# Altium PCB RpiBaseBoard.PcbDoc
Units mil, origin at the board's own origin, x right, y up, seen from the top; angles counter-clockwise.
Board outline 2165.35 x 2519.68 mil, 2 copper layers (Component Side, Bottom Layer), stack 63.824 mil thick; 134 components, 78 nets, 448 pads, 132 vias.
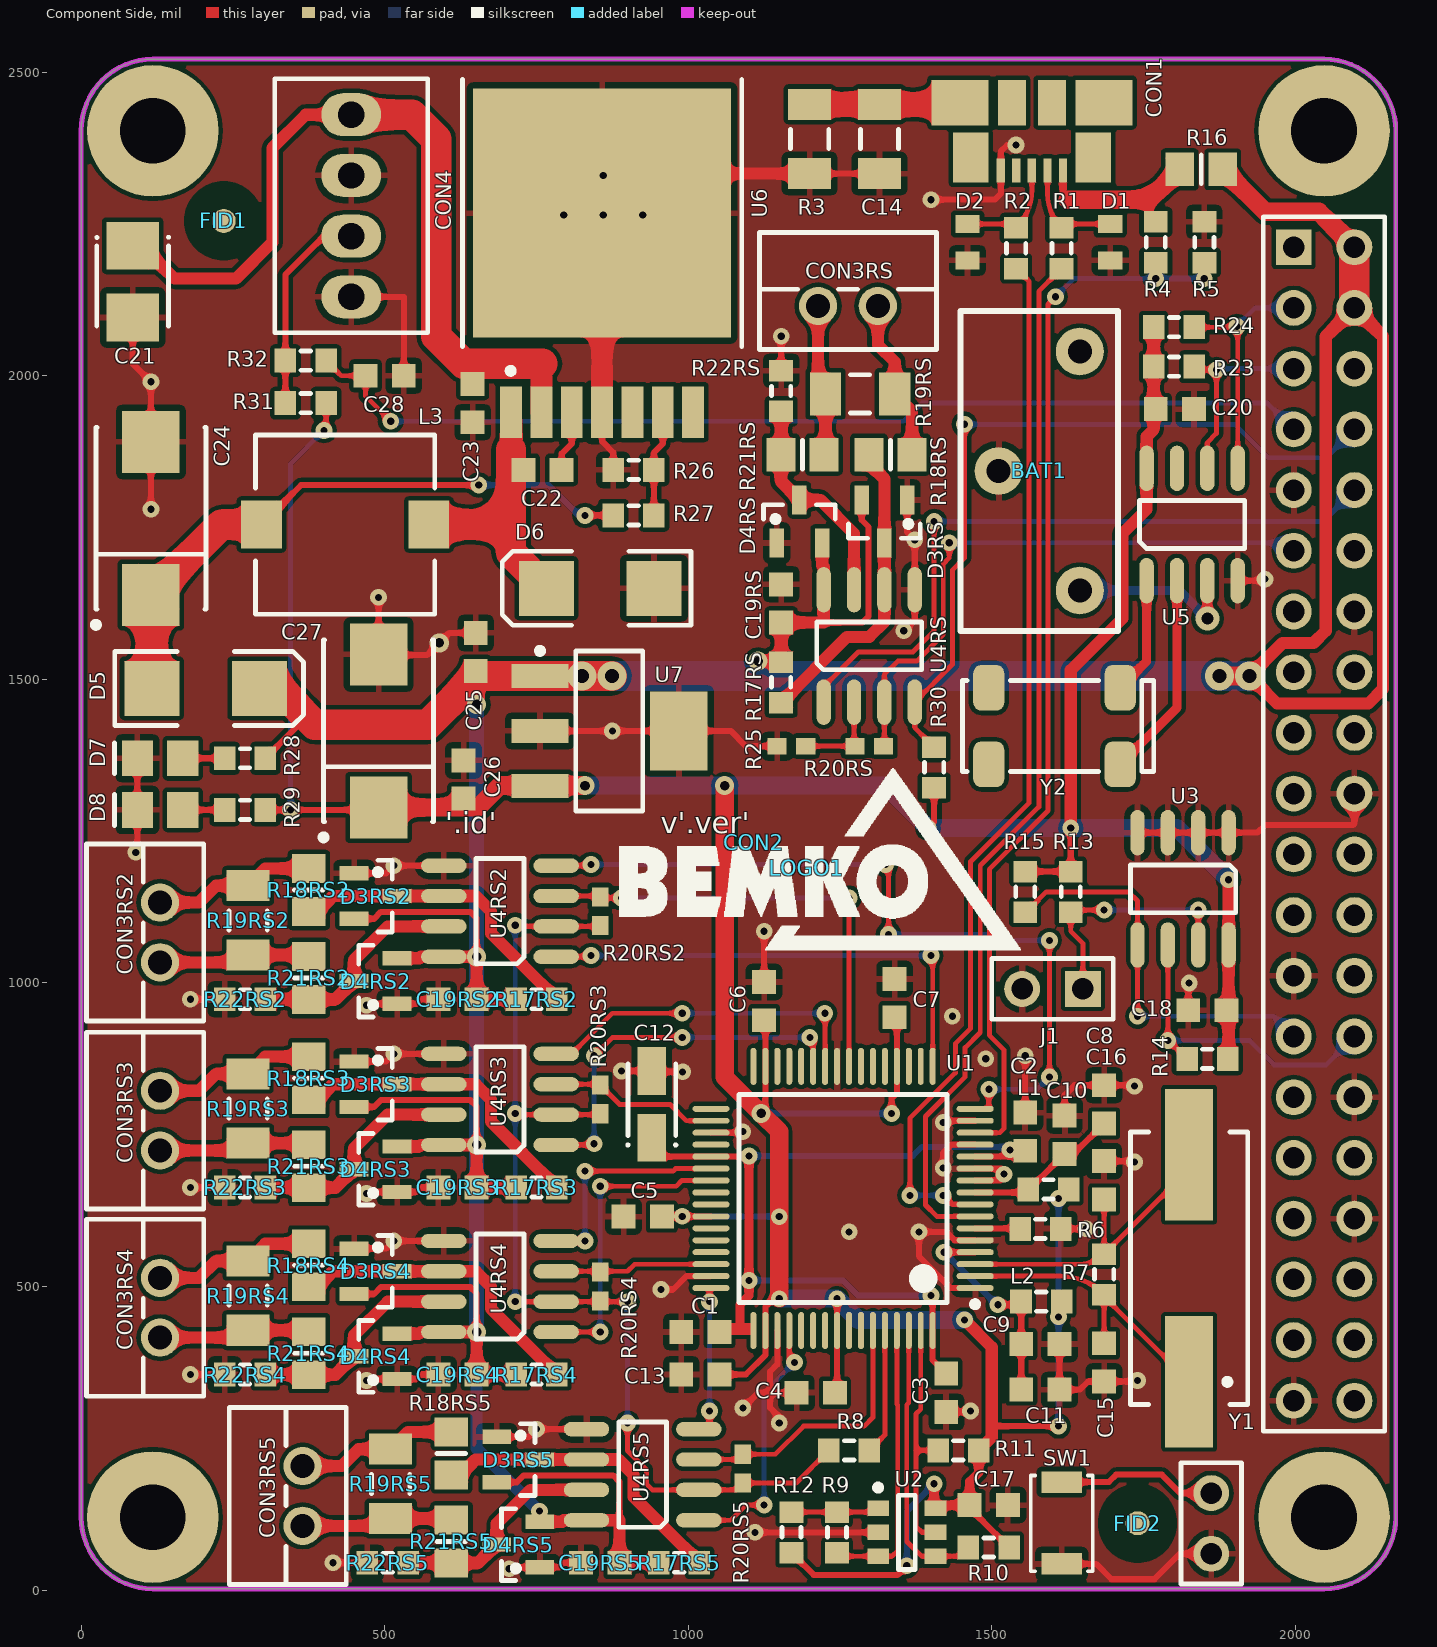
[diagram p0: Component Side view]
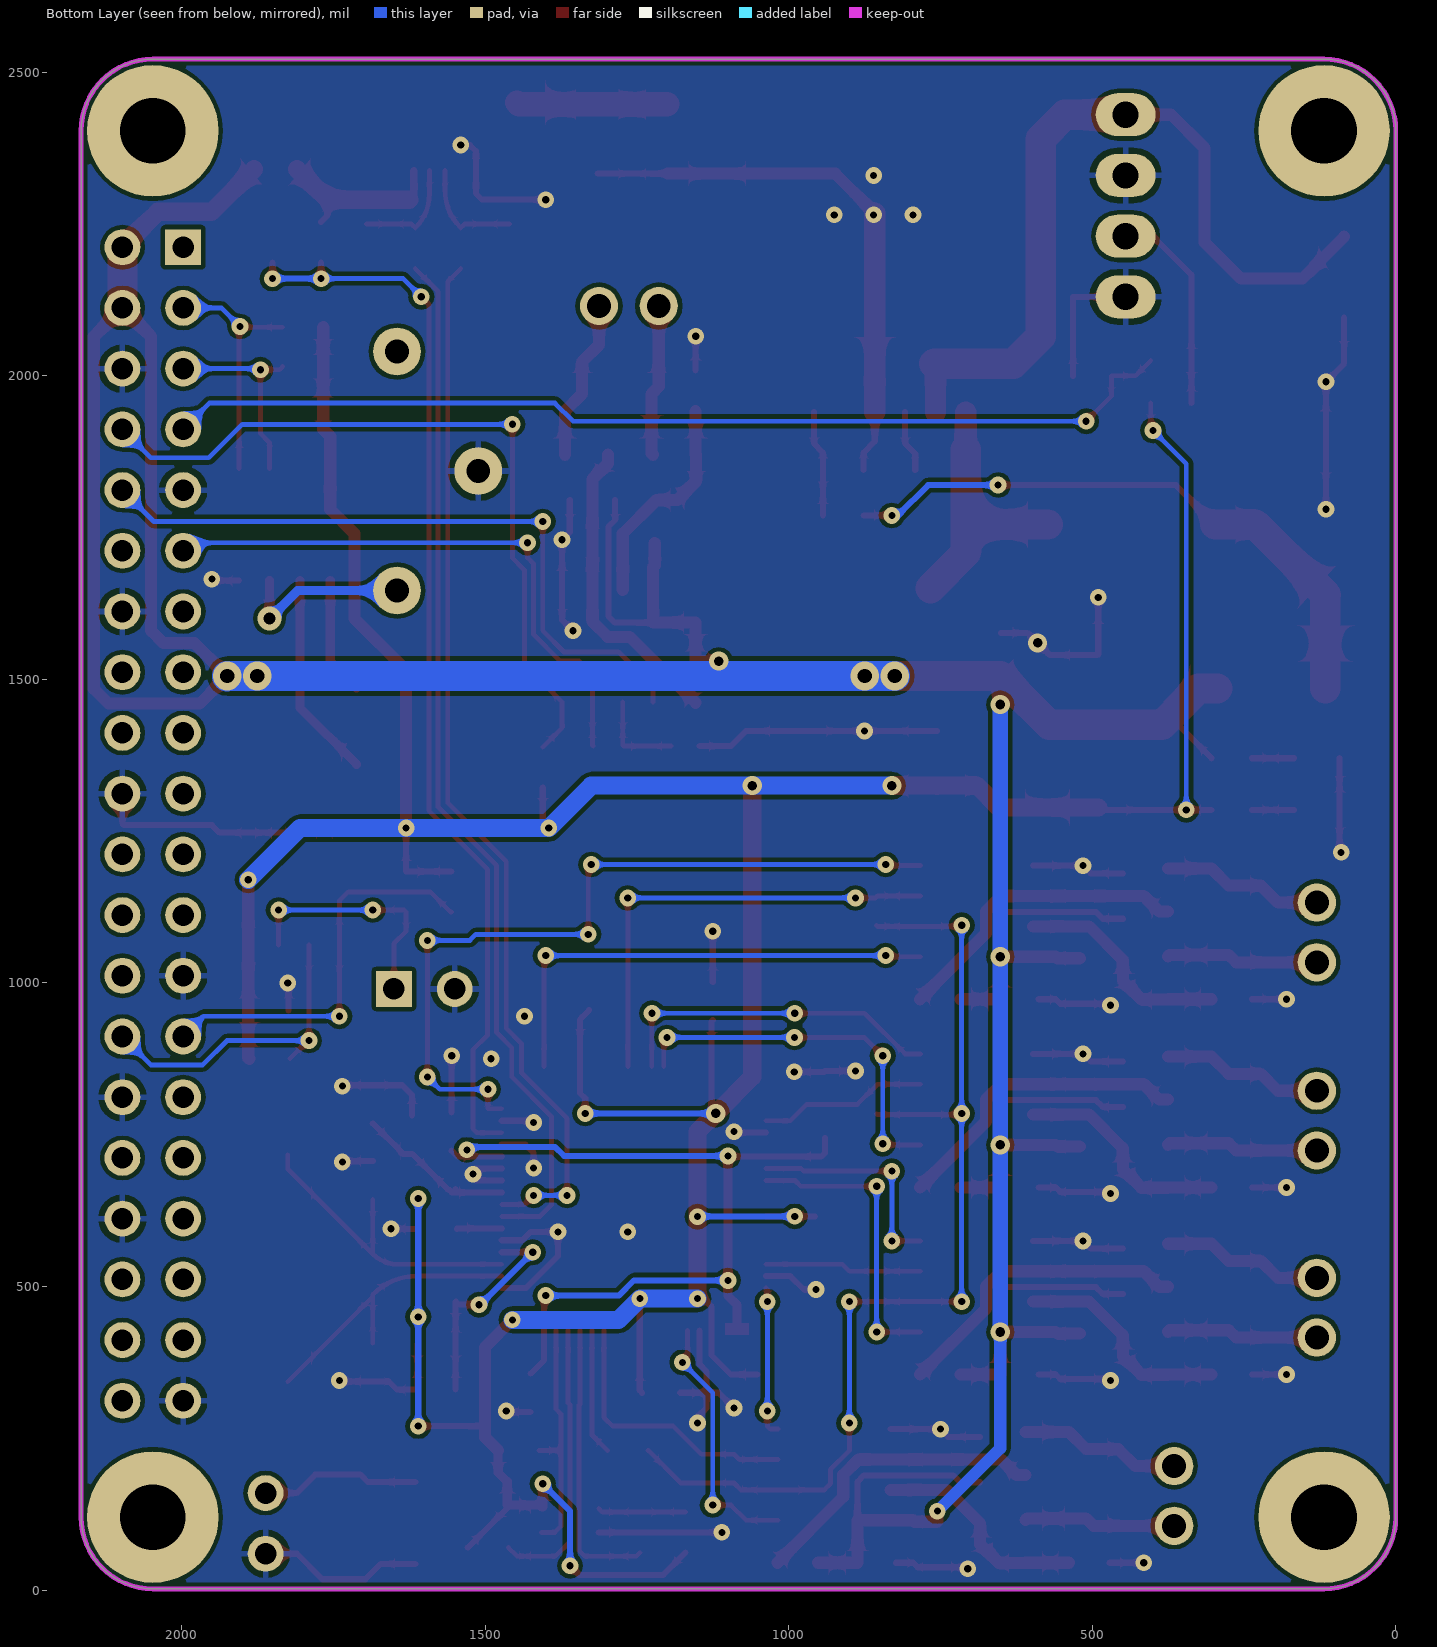
[diagram p1: Bottom Layer view, seen from below]

## Layer stack, top to bottom
Top Solder: solder mask 0.4, Solder Resist, Dk 3.5
Component Side: signal copper 1.4
Dielectric 1: core 61.0236, FR-4, Dk 4.2
Bottom Layer: signal copper 1.4
Solder Side: solder mask 0.4, Solder Resist, Dk 3.5

## Board outline
0,120 ccw(c118.11,120) 118.11,1.89 2047.24,1.89 ccw(c2047.24,120) 2165.35,120 2165.35,2403.46 ccw(c2047.24,2403.46) 2047.24,2521.57 118.11,2521.57 ccw(c118.11,2403.46) 0,2403.46

## Design rules (kind name [scope] priority, off if disabled: settings)
Clearance "Stitching GNDA" [IsStitchingVia and InNet('GNDA') vs (IsVia and (Not IsStitchingVia)) Or IsPad] p1: gap=5 ignorepadtopadclearanceinfootprint=FALSE except(0: Arc-Hole Track-Hole SMDPad-Hole THPad-Hole Via-Hole Fill-Hole Poly-Hole Region-Hole Text-Hole)
Clearance ShieldClearance_BOT [InNamedPolygon('GND_L02_P002') vs InNet('SHIELD')] p2: gap=30 ignorepadtopadclearanceinfootprint=FALSE except(0: Arc-Hole Track-Hole SMDPad-Hole THPad-Hole Via-Hole Fill-Hole Poly-Hole Region-Hole Text-Hole)
Clearance ShieldClearance_TOP [InNamedPolygon('GND_L02_P002') vs InNet('SHIELD')] p3: gap=30 ignorepadtopadclearanceinfootprint=FALSE except(0: Arc-Hole Track-Hole SMDPad-Hole THPad-Hole Via-Hole Fill-Hole Poly-Hole Region-Hole Text-Hole)
Clearance [All] p4: gap=7 ignorepadtopadclearanceinfootprint=FALSE except(0: Arc-Hole Track-Hole SMDPad-Hole THPad-Hole Via-Hole Fill-Hole Poly-Hole Region-Hole Text-Hole)
DiffPairsRouting DiffPair_100_2DiffPairsRouting [InDifferentialPairClass('DIFF100_2')] p1: maxlimit=10 minlimit=10 mostfreqgap=10 toplayer_minwidth=8 toplayer_maxwidth=15 toplayer_prefwidth=15 bottomlayer_minwidth=8 bottomlayer_maxwidth=15 bottomlayer_prefwidth=15 maxuncoupledlength=500
DiffPairsRouting DiffPair_100DiffPairsRouting [InDifferentialPairClass('DIFF100')] p2: maxlimit=10 minlimit=10 mostfreqgap=10 toplayer_minwidth=8 toplayer_maxwidth=15 toplayer_prefwidth=15 bottomlayer_minwidth=8 bottomlayer_maxwidth=15 bottomlayer_prefwidth=15 maxuncoupledlength=500
DiffPairsRouting [All] p3: maxlimit=10 minlimit=8 mostfreqgap=8 toplayer_minwidth=8 toplayer_maxwidth=30 toplayer_prefwidth=8 bottomlayer_minwidth=8 bottomlayer_maxwidth=30 bottomlayer_prefwidth=8 maxuncoupledlength=500
Height [All] p1: minheight=0 maxheight=2000 prefheight=500
HoleSize [All] p1: absolutevalues=TRUE maxlimit=200 minlimit=1 maxpercent=80.000 minpercent=20.000
MatchedLengths DiffPair_100_2MatchedLengths [InNetClass('DIFF100_A')] p1: tolerance=1000 checknetsindiffpair=TRUE checkdiffpairvsdiffpair=FALSE checkxsignals=FALSE checkothers=FALSE
MatchedLengths DiffPair_100MatchedLengths [InNetClass('DIFF100_B')] p2: tolerance=5 checknetsindiffpair=TRUE checkdiffpairvsdiffpair=FALSE checkxsignals=FALSE checkothers=FALSE
MinimumSolderMaskSliver [All] p1: minsoldermaskwidth=1
PasteMaskExpansion [InNet('230V_N')] p1: expansion=20
PlaneClearance [All] p1: clearance=10
PlaneConnect MotConnect [InNetClass('MOT[8..1]')] p1: planeconnectstyle=Direct reliefexpansion=20 reliefentries=4 reliefconductorwidth=10 reliefairgap=10
PlaneConnect Via_Thermal_Relief [IsStitchingVia Or IsVia] p2: planeconnectstyle=Direct reliefexpansion=20 reliefentries=4 reliefconductorwidth=10 reliefairgap=40
PlaneConnect ShieldConnect [InNet('SHIELD')] p3: planeconnectstyle=Relief reliefexpansion=20 reliefentries=4 reliefconductorwidth=10 reliefairgap=40
PlaneConnect [All] p4: planeconnectstyle=Relief reliefexpansion=8 reliefentries=4 reliefconductorwidth=8 reliefairgap=5
PolygonConnect GNDA_VIA_CONN [InNet('GND') And (IsStitchingVia Or IsVia)] p1: connectstyle=Direct reliefconductorwidth=10 reliefentries=4 polygonreliefangle="90 Angle" airgapwidth=10
PolygonConnect [All] p2: connectstyle=Relief reliefconductorwidth=10 reliefentries=4 polygonreliefangle="90 Angle" airgapwidth=10
RoomDefinition RS3 [InComponentClass('RS3')] p1: confinementstyle=ConfineIn formatcopy=TRUE lockcomponents=FALSE outline 0,620 885,620 885,928.11 0,928.11
RoomDefinition RS [InComponentClass('RS')] p2: confinementstyle=ConfineIn formatcopy=TRUE lockcomponents=FALSE outline 1110,2245 1110,1360 1418.11,1360 1418.11,2245
RoomDefinition RS5 [InComponentClass('RS5')] p3: confinementstyle=ConfineIn formatcopy=TRUE lockcomponents=FALSE outline 235,1.89 1120,1.89 1120,310 235,310
RoomDefinition RS4 [InComponentClass('RS4')] p4: confinementstyle=ConfineIn formatcopy=TRUE lockcomponents=FALSE outline 0,311.89 885,311.89 885,620 0,620
RoomDefinition RS2 [InComponentClass('RS2')] p5: confinementstyle=ConfineIn formatcopy=TRUE lockcomponents=FALSE outline 0,930 885,930 885,1238.11 0,1238.11
RoutingVias [All] p1: holewidth=5.91 width=11.81 viastyle="Through Hole" minholewidth=5.91 minwidth=11.81 maxholewidth=500 maxwidth=1000
SilkToSilkClearance [All] p1: silktosilkclearance=5
SilkToSolderMaskClearance SilkscreenOverComponentPads [IsPad] p1: minsilkscreentomaskgap=1 clearancetoexposedcopper=TRUE
SolderMaskExpansion [InNet('230V_N')] p1: expansion=5
Width GND [InNet('GND')] p1: maxlimit=100 minlimit=8 preferedwidth=50
Width 3V3 [InNet('3V3')] p2: maxlimit=40 minlimit=8 preferedwidth=30
Width 5V [InNet('5V')] p3: maxlimit=90 minlimit=10 preferedwidth=60
Width 24V [InNet('24V')] p4: maxlimit=80 minlimit=10 preferedwidth=60
Width [All] p5: maxlimit=100 minlimit=6 preferedwidth=8
21 further rules are at their usual default settings.

## Classes and differential pairs
component class FTE: C17 R9 R10 R11 R12 U2
component class FT: C1 C2 C3 C4 C5 C6 C7 C8 C9 C10 C11 C12 C13 C14 C15 C16 CON1 D1 D2 L1 L2 R1 R2 R3 R4 R5 R6 R7 R8 R16 U1 Y1
component class IDE: C18 J1 R13 R14 R15 U3
component class RPI: CON2 R30 SW1
component class RS2: C19RS2 CON3RS2 D3RS2 D4RS2 R17RS2 R18RS2 R19RS2 R20RS2 R21RS2 R22RS2 U4RS2
component class RS3: C19RS3 CON3RS3 D3RS3 D4RS3 R17RS3 R18RS3 R19RS3 R20RS3 R21RS3 R22RS3 U4RS3
component class RS4: C19RS4 CON3RS4 D3RS4 D4RS4 R17RS4 R18RS4 R19RS4 R20RS4 R21RS4 R22RS4 U4RS4
component class RS5: C19RS5 CON3RS5 D3RS5 D4RS5 R17RS5 R18RS5 R19RS5 R20RS5 R21RS5 R22RS5 U4RS5
component class RS: C19RS CON3RS D3RS D4RS R17RS R18RS R19RS R20RS R21RS R22RS U4RS
component class RTC: BAT1 C20 R23 R24 U5 Y2
component class top_level: FID1 FID2 LOGO1 R25
net class DIFF_RS485: RS485RS2_N RS485RS2_P RS485RS3_N RS485RS3_P RS485RS4_N RS485RS4_P RS485RS5_N RS485RS5_P RS485RS_N RS485RS_P
net class DIFF_USB: USBD_N USBD_P
net class RS485DE[4..1]: RS485DE1 RS485DE2 RS485DE3 RS485DE4
net class RS485RX[4..1]: RS485RX1 RS485RX2 RS485RX3 RS485RX4
net class RS485TX[4..1]: RS485TX1 RS485TX2 RS485TX3 RS485TX4
channel class rs485: RS RS2 RS3 RS4 RS5
component class POWER: C21 C22 C23 C24 C25 C26 C27 C28 CON4 D5 D6 D7 D8 L3 R26 R27 R28 R29 R31 R32 U6 U7
differential pair RS485RS: +RS485RS_P -RS485RS_N
differential pair RS485RS5: +RS485RS5_P -RS485RS5_N
differential pair RS485RS4: +RS485RS4_P -RS485RS4_N
differential pair RS485RS3: +RS485RS3_P -RS485RS3_N
differential pair RS485RS2: +RS485RS2_P -RS485RS2_N
differential pair USBD: +USBD_P -USBD_N

## Components (designator, comment, footprint, x,y, rotation, side; value= is the part's Value field where it differs from the comment)
BAT1 "CH74-2032" BAT_2032_HOLDER 1645,1646.3 r90 top
C1 "100nF" CAPC1608N 1020,425 r180 top
C2 "100nF" CAPC1608N 1555,755 r90 top
C3 "100nF" CAPC1608N 1425,325 r270 top
C4 "100nF" CAPC1608N 1210,325 r180 top
C5 "100nF" CAPC1608N 925,615 r180 top
C6 "100nF" CAPC1608N 1125,970 r90 top
C7 "100nF" CAPC1608N 1340,975 r90 top
C8 "4.7uF" CAPC1608N 1685,800 r90 top
C9 "4.7uF" CAPC1608N 1580,405 r0 top
C10 "100nF" CAPC1608N 1620,750 r90 top
C11 "100nF" CAPC1608N 1580,330 r0 top
C12 "10uF/6V" SMDA 940,800 r90 top value=10uF
C13 "100nF" CAPC1608N 1020,355 r180 top
C14 "2n2/500V" CAPC3216N 1315,2390 r90 top
C15 "27pF" CAPC1608N 1685,375 r90 top
C16 "27pF" CAPC1608N 1685,675 r270 top
C17 "100nF" CAPC1608N 1495,140 r180 top
C18 "100nF" CAPC1608N 1855,955 r0 top
C19RS "100nF" CAPC1608N 1153.11,1625 r90 top (schematic designator C19)
C19RS2 "100nF" CAPC1608N 620,973.11 r180 top (schematic designator C19)
C19RS3 "100nF" CAPC1608N 620,663.11 r180 top (schematic designator C19)
C19RS4 "100nF" CAPC1608N 620,355 r180 top (schematic designator C19)
C19RS5 "100nF" CAPC1608N 855,45 r180 top (schematic designator C19)
C20 "100nF" CAPC1608N 1801.5,1945 r180 top
C21 "10uF 25V" SMDB 85,2155 r270 top
C22 "10nF" CAPC1608N 760,1845 r0 top
C23 "100nF" CAPC1608N 645,1955 r90 top
C24 "470uF 6V3" SMDD 115,1765 r90 top value=10uF
C25 "100nF" CAPC1608N 650,1545 r270 top
C26 "100nF" CAPC1608N 630,1335 r270 top
C27 "470uF 6V3" SMDD 490,1415 r90 top value=10uF
C28 "100nF" CAPC1608N 500,2000 r180 top
CON1 "USB-B-MICRO" MICRO-USB-CONNECTOR 1566.08,2337.8 r270 top
CON2 "RPI3" RASPBERRYPI3 0,2521.57 r0 top locked
CON3RS "MX-5267-02A" MX-5267-02A 1263.11,2115 r0 top (schematic designator CON3)
CON3RS2 "MX-5267-02A" MX-5267-02A 130,1083.11 r90 top (schematic designator CON3)
CON3RS3 "MX-5267-02A" MX-5267-02A 130,773.11 r90 top (schematic designator CON3)
CON3RS4 "MX-5267-02A" MX-5267-02A 130,465 r90 top (schematic designator CON3)
CON3RS5 "MX-5267-02A" MX-5267-02A 365,155 r90 top (schematic designator CON3)
CON4 "TB-4" Terminal-block-4way-2.54 445,2280 r270 top
D1 "SURGX" SURGX-0603 1695,2220 r90 top
D2 "SURGX" SURGX-0603 1460,2220 r90 top
D3RS "BAT54S" SOT23-3L 1323.11,1760 r270 top (schematic designator D3)
D3RS2 "BAT54S" SOT23-3L 485,1143.11 r0 top (schematic designator D3)
D3RS3 "BAT54S" SOT23-3L 485,833.11 r0 top (schematic designator D3)
D3RS4 "BAT54S" SOT23-3L 485,525 r0 top (schematic designator D3)
D3RS5 "BAT54S" SOT23-3L 720,215 r0 top (schematic designator D3)
D4RS "BAT54S" SOT23-3L 1183.11,1760 r90 top (schematic designator D4)
D4RS2 "BAT54S" SOT23-3L 485,1003.11 r180 top (schematic designator D4)
D4RS3 "BAT54S" SOT23-3L 485,693.11 r180 top (schematic designator D4)
D4RS4 "BAT54S" SOT23-3L 485,385 r180 top (schematic designator D4)
D4RS5 "BAT54S" SOT23-3L 720,75 r180 top (schematic designator D4)
D5 "SK210" SMB 205,1485 r0 top
D6 "SK210" SMB 855,1650 r180 top
D7 "LL-S172GC-2A" CD2012-0805 130,1370 r180 top
D8 "LL-S172GC-2A" CD2012-0805 130,1285 r180 top
FID1 "Fiducial" "Fid Round" 235,2255 r0 top
FID2 "Fiducial" "Fid Round" 1740,110 r90 top
J1 "Jumper" JUMPER 1650,990 r180 top
L1 "Ferrite" inductor_0603 1626.93,660 r90 top value=10mH
L2 "Ferrite" inductor_0603 1615,475 r90 top value=10mH
L3 "DR74-330-R" "DR74 Series" 435,1755 r180 top value=33uH
LOGO1 "Logo" LOGO_BEMKO 1195,1190 r0 top
R1 "22R" RESC1608N 1615,2210 r270 top
R2 "22R" RESC1608N 1540,2210 r270 top
R3 "10M" RESC3216N 1200,2390 r90 top
R4 "4k7" RESC1608N 1770,2220 r270 top
R5 "10k" RESC1608N 1850,2220 r90 top
R6 "12k" RESC1608N 1580,595 r0 top
R7 "1M" RESC1608N 1685,520 r270 top
R8 "10k" RESC1608N 1265,230 r0 top
R9 "10k" RESC1608N 1170,95 r90 top
R10 "10k" RESC1608N 1495,70 r180 top
R11 "10k" RESC1608N 1445,230 r180 top
R12 "2k2" RESC1608N 1245,95 r270 top
R13 "3k9" RESC1608N 1630,1150 r270 top
R14 "3k9" RESC1608N 1855,875 r180 top
R15 "3k9" RESC1608N 1555,1150 r270 top
R16 "0R" RESC2012N 1845,2340 r180 top
R17RS "510R" RESC1608N 1153.11,1495 r90 top (schematic designator R17)
R17RS2 "510R" RESC1608N 750,973.11 r180 top (schematic designator R17)
R17RS3 "510R" RESC1608N 750,663.11 r180 top (schematic designator R17)
R17RS4 "510R" RESC1608N 750,355 r180 top (schematic designator R17)
R17RS5 "510R" RESC1608N 985,45 r180 top (schematic designator R17)
R18RS "10R" RESC2012N 1333.11,1870 r180 top (schematic designator R18)
R18RS2 "10R" RESC2012N 375,1153.11 r270 top (schematic designator R18)
R18RS3 "10R" RESC2012N 375,843.11 r270 top (schematic designator R18)
R18RS4 "10R" RESC2012N 375,535 r270 top (schematic designator R18)
R18RS5 "10R" RESC2012N 610,225 r270 top (schematic designator R18)
R19RS "120R" RESC3216N 1283.11,1970 r180 top (schematic designator R19)
R19RS2 "120R" RESC3216N 275,1103.11 r270 top (schematic designator R19)
R19RS3 "120R" RESC3216N 275,793.11 r270 top (schematic designator R19)
R19RS4 "120R" RESC3216N 275,485 r270 top (schematic designator R19)
R19RS5 "120R" RESC3216N 510,175 r270 top (schematic designator R19)
R20RS "0R" RESC1005N 1298.11,1390 r180 top (schematic designator R20)
R20RS2 "0R" RESC1005N 855,1118.11 r270 top (schematic designator R20)
R20RS3 "0R" RESC1005N 855,808.11 r270 top (schematic designator R20)
R20RS4 "0R" RESC1005N 855,500 r270 top (schematic designator R20)
R20RS5 "0R" RESC1005N 1090,200 r270 top (schematic designator R20)
R21RS "10R" RESC2012N 1188.11,1870 r180 top (schematic designator R21)
R21RS2 "10R" RESC2012N 375,1008.11 r270 top (schematic designator R21)
R21RS3 "10R" RESC2012N 375,698.11 r270 top (schematic designator R21)
R21RS4 "10R" RESC2012N 375,390 r270 top (schematic designator R21)
R21RS5 "10R" RESC2012N 610,80 r270 top (schematic designator R21)
R22RS "510R" RESC1608N 1153.11,1975 r270 top (schematic designator R22)
R22RS2 "510R" RESC1608N 270,973.11 r0 top (schematic designator R22)
R22RS3 "510R" RESC1608N 270,663.11 r0 top (schematic designator R22)
R22RS4 "510R" RESC1608N 270,355 r0 top (schematic designator R22)
R22RS5 "510R" RESC1608N 505,45 r0 top (schematic designator R22)
R23 "3k9" RESC1608N 1800,2015 r0 top
R24 "3k9" RESC1608N 1800,2080 r0 top
R25 "10k" RESC1005N 1170,1390 r0 top
R26 "1k" RESC1608N 910,1845 r0 top
R27 "3k2" RESC1608N 910,1770 r180 top
R28 "510R" RESC1608N 270,1370 r180 top
R29 "220R" RESC1608N 270,1285 r180 top
R30 "10k" RESC1608N 1405,1355 r90 top
R31 "10k" RESC1608N 370,1955 r180 top
R32 "10k" RESC1608N 370,2025 r0 top
SW1 "SMD tact" ULTRA-SMALL-TACT-SWITCH-SMT 1615,110 r90 top
U1 "FT4232HL-Reel" LQFP-64_L 1255,645 r180 top locked
U2 "93LC46" SOT23-6 1360,95 r0 top
U3 "24_EEPROM" SO-8_L 1815,1155 r270 top
U4RS "MAX487ESA" SO-8_L 1298.11,1555 r90 top (schematic designator U4)
U4RS2 "MAX487ESA" SO-8_L 690,1118.11 r180 top (schematic designator U4)
U4RS3 "MAX487ESA" SO-8_L 690,808.11 r180 top (schematic designator U4)
U4RS4 "MAX487ESA" SO-8_L 690,500 r180 top (schematic designator U4)
U4RS5 "MAX487ESA" SO-8_L 925,190 r180 top (schematic designator U4)
U5 "DS1340-33" SO-8_L 1830,1755 r90 top
U6 "LM2676S-ADJ" TO-263-7 858.11,2182.74 r0 top
U7 "LM3940IMP-3.3" MP04A_N 870,1415 r0 top
Y1 "12MHz" HC49/4H_SMX 1825,530 r90 top
Y2 "32.768kHz" ABS25-crystal 1711.54,1485.98 r180 top

## Footprints (in the part's own frame and the unit in brackets; to place one, negate y for a bottom-side part, rotate by r counter-clockwise, add the part's x,y. Pads: shape width x height; smd on the part's side, far side on the other; paste and mask are expansions set on the pad)
ABS25-crystal [mm]
  rrect50% 1.3x1.9 smd: 1(0,0) 2(0,3.2) ""(5.5,3.2) ""(5.5,0)
  silkscreen extent -1.4,-0.3 6.6,3.5, body extent -1.3,-0.35 6.7,3.45, height 2.43
BAT_2032_HOLDER [mm]
  round 2 hole 1: 1(0,0) 2(10,0) 3(5,3.4)
  silkscreen extent -1.7,-1.6 11.7,5, body extent -6.53,-1.5 16.57,4.9, height 23
CAPC1608N [mm] "Chip Capacitor, Body 1.6x0.8mm, IPC Medium Density"
  rect 1x1 smd: 1(-0.8,0) 2(0.8,0)
  body extent -0.8,-0.4 0.8,0.4, height 0.3
CAPC3216N [mm] "Chip Capacitor, Body 3.2x1.6mm, IPC Medium Density"
  rect 1.3x1.8 smd: 1(-1.45,0) 2(1.45,0)
  silkscreen extent -0.4,-0.8 0.4,0.8, body extent -1.63,-0.79 1.57,0.81, height 1
CD2012-0805 [mm] "Chip Diode; Body 2.0 x 1.3 mm (LxW typ)"
  rect 1.3x1.5 smd: 1(-0.95,0) 2(0.95,0)
  silkscreen extent 1.9,-0.65 1.9,0.65, body extent -1.01,-0.64 1.01,0.61, height 1.1
"DR74 Series" [mm] "Chip Inductor, 2-Leads, Body 7.6x7.6mm, IPC High Density"
  rect 1.7x2 smd: 1(-3.5,0) 2(3.5,0)
  silkscreen extent -3.75,-3.75 3.75,3.75, body extent -3.27,-3.27 3.22,3.22, height 4.8
"Fid Round" [mm]
  round 1 smd paste-2.54 mask+1: 0(0,0)
  Component Side pour cut-out: -1.651,0 -1.525,0.632 -1.167,1.167 -0.632,1.525 0,1.651 0,1.651 0.632,1.525 1.167,1.167 1.525,0.632 1.651,0 1.651,0 1.525,-0.632 1.167,-1.167 0.632,-1.525 0,-1.651 0,-1.651 -0.632,-1.525 -1.167,-1.167 -1.525,-0.632 -1.651,0
HC49/4H_SMX [mm] "Quartz Crystal, SM; Body 13.4 (inc. leads) x 4.9 mm (LxW max)"
  rect 5.5x2 smd paste-1: 1(-4.75,0) 2(4.75,0)
  silkscreen extent -5.7,-2.45 5.7,2.45, body extent -6.7,-2.45 6.7,2.45, height 5.08
inductor_0603 [mm]
  rect 1x0.9 smd: 1(0,0) 2(0,1.7)
  silkscreen extent -0.4,0.65 0.4,1.05, body extent -0.48,0.1 0.47,1.7, height 0.78
JUMPER [mm]
  rect 1.5x1.5 hole 0.9: 1(0,0)
  round 1.5 hole 0.9: 2(2.54,0)
  silkscreen extent -1.27,-1.27 3.81,1.27, body extent -1.27,-1.27 3.81,1.27, height 8.49